# Altium PCB FMC_ADC_130M_16B_4CH.PcbDoc (part 5 of 8)
Units mm, origin at the board's own origin, x right, y up, seen from the top; angles counter-clockwise.
Board outline 76.78 x 69 mm, 8 copper layers (Top Layer, GND1, L3, GND2, L5, GND3, POWER, Bottom Layer), stack 1.329 mm thick; 397 components, 449 nets, 2112 pads, 1765 vias.
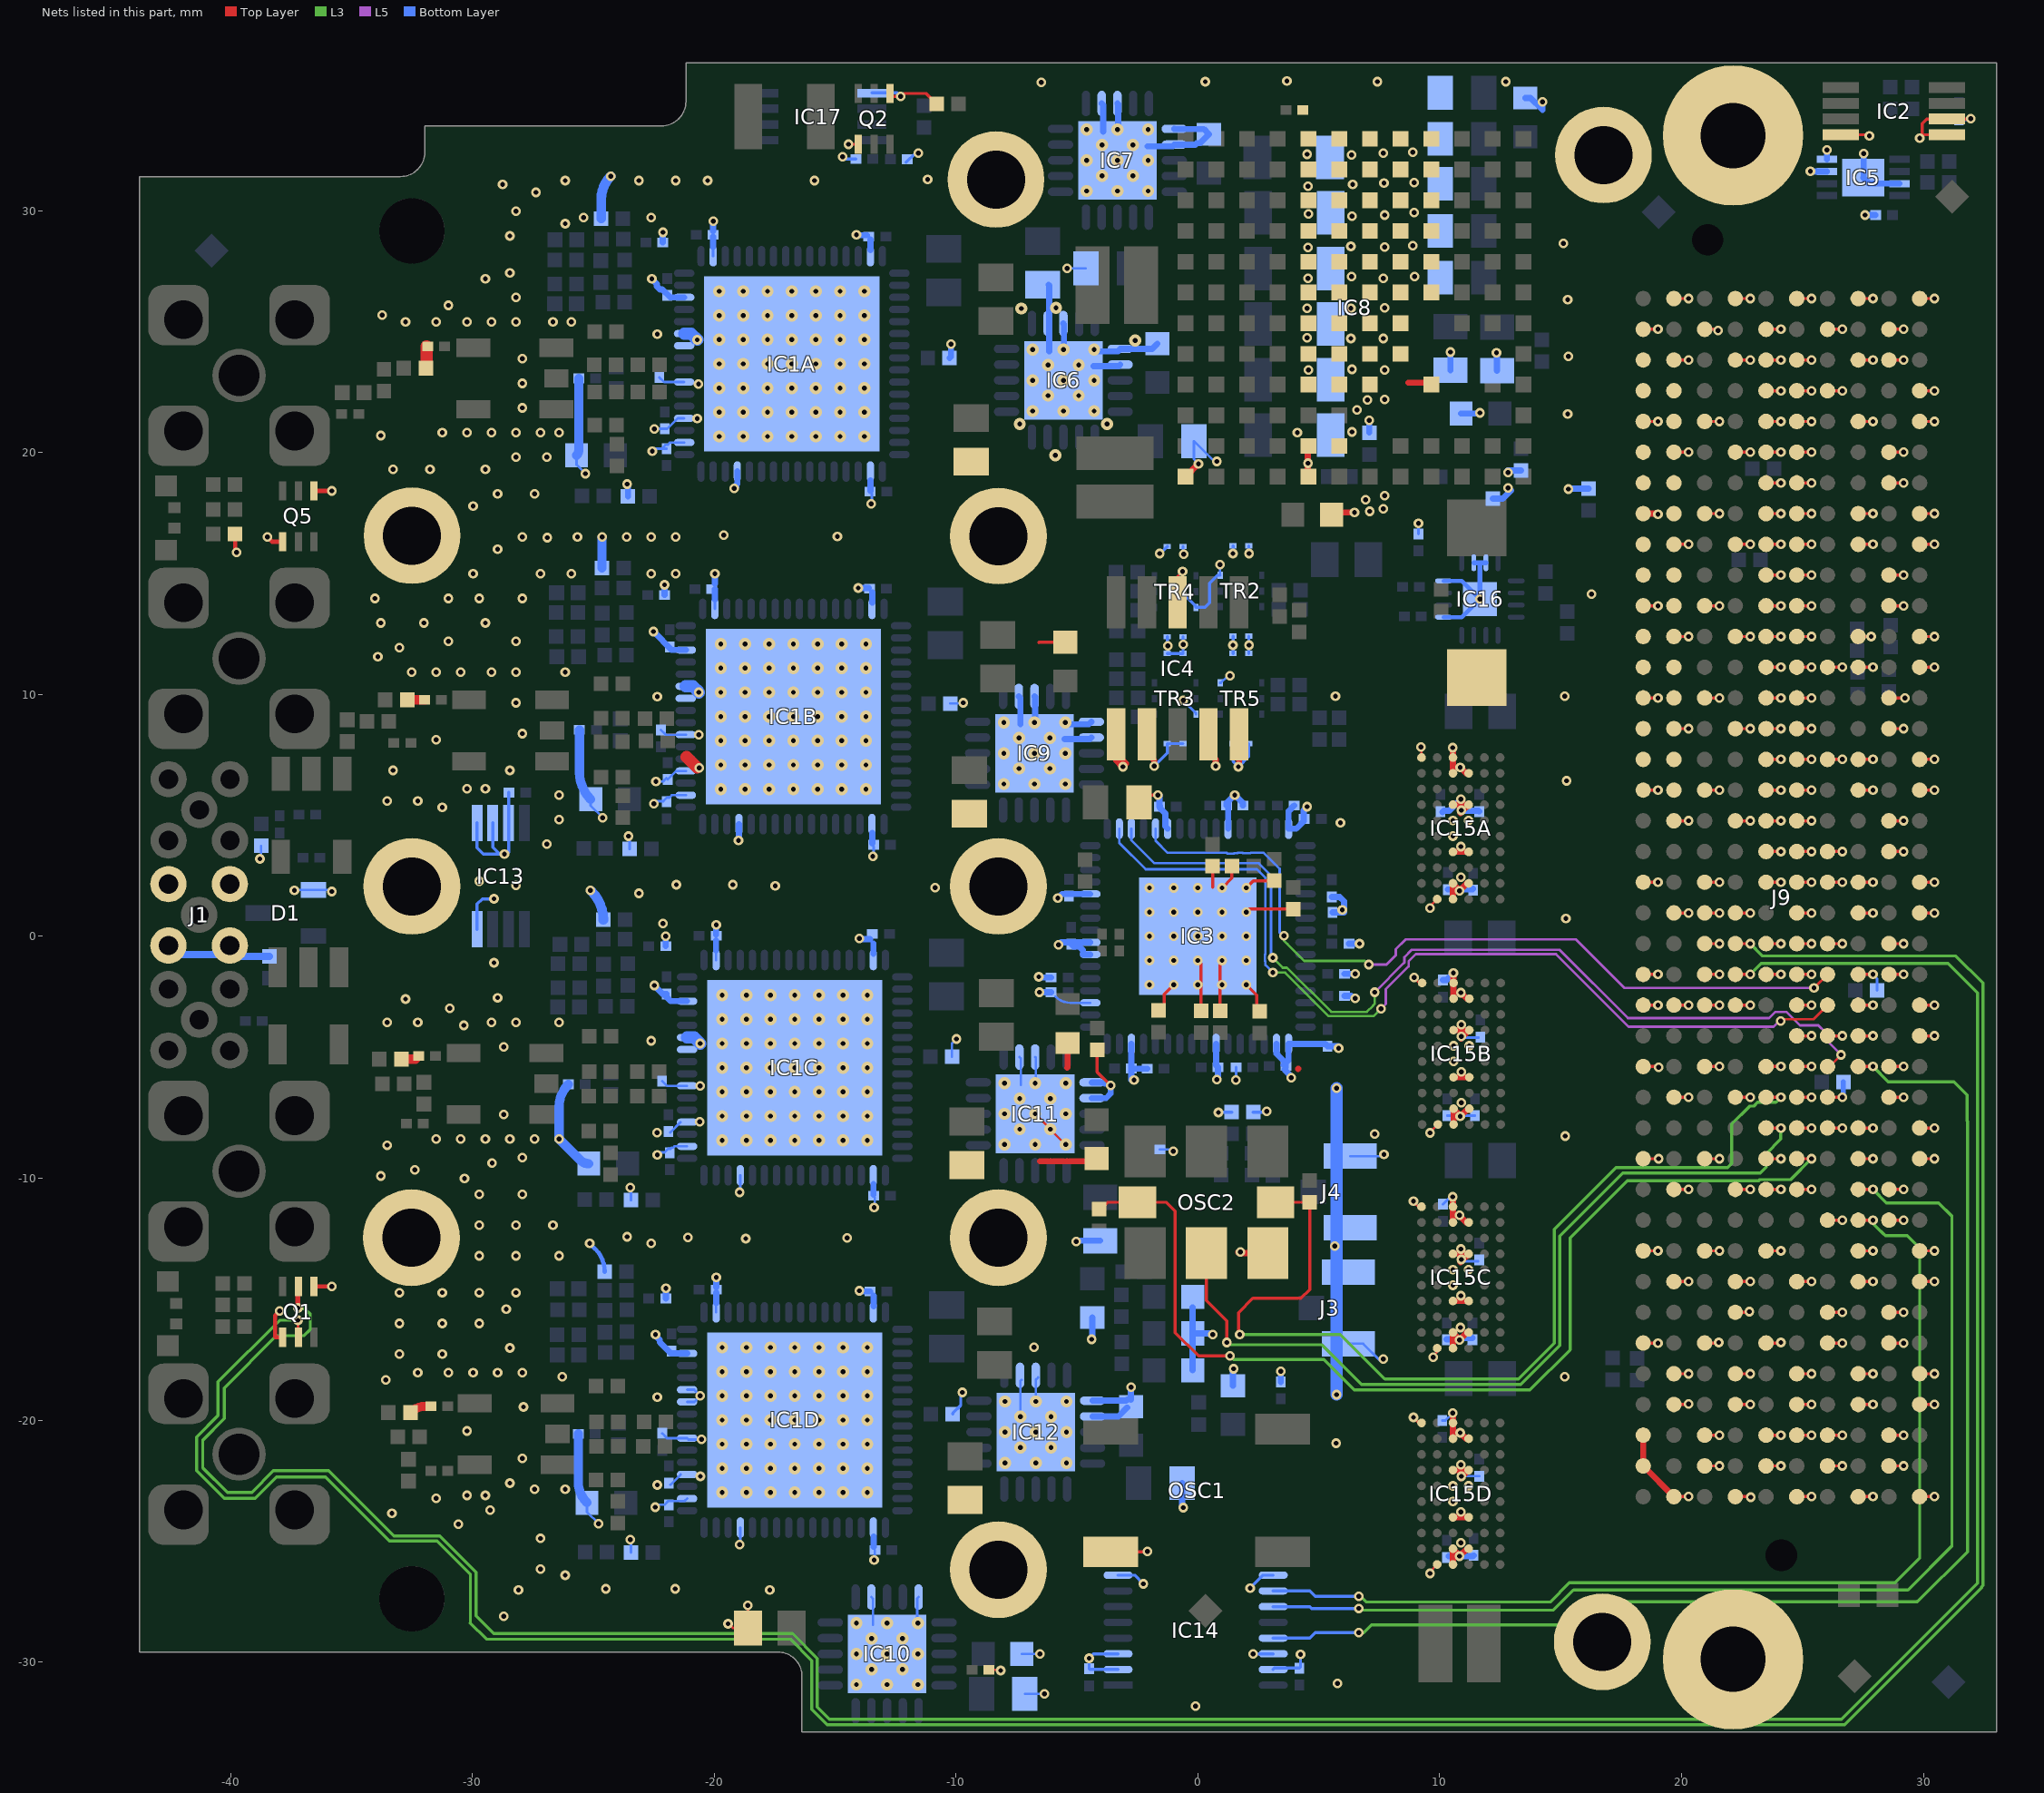
[diagram p11: the nets of this part, all layers, seen from the top]

## Via types
v1: diameter 0.4, hole 0.2, Top Layer to Bottom Layer, tented both sides, 1471 vias
v2: diameter 0.5, hole 0.2, Top Layer to Bottom Layer, tented both sides, 280 vias
v3: diameter 0.4, hole 0.2, Top Layer to Bottom Layer, 14 vias

## Nets (pads, with @x,y where several pads share a name; then routed paths per layer and width w, separated by ;. In a path a pad name is that pad's centre, name@x,y a point inside that pad or via, vN(x,y) a via of type N, cw(c..) or ccw(c..) an arc to the next point about the centre after c; other vN are vias at no path point) (continued)
GND: B1.1 B4.1 B5.1 B6.1 B7.1 B8.1 B9.1 B10.1 B11.1 B14.1 B15.1 B16.1 C10.2 C12A.1 C12B.1 C12C.1 C12D.1 C14A.1 C14B.1 C14C.1 C14D.1 C15A.1 C15B.1 C15C.1 C15D.1 C16A.1 C16B.1 C16C.1 C16D.1 C17A.1 C17B.1 C17C.1 C17D.1 C18A.1 C18B.1 C18C.1 C18D.1 C19A.1 C19B.1 C19C.1 C19D.1 C20A.1 C20B.1 C20C.1 C20D.1 C21A.1 C21B.1 C21C.1 C21D.1 C22A.1 C22B.1 C22C.1 C22D.1 C23A.1 C23B.1 C23C.1 C23D.1 C24A.1 C24B.1 C24C.1 C24D.1 C25A.1 C25B.1 C25C.1 C25D.1 C26A.2 C26B.2 C26C.2 C26D.2 C27.2 C28.2 C29.1 C30.1 C31.2 C32.2 C33.2 C34.2 C35.2 C36.2 C37.1 C38.1 C39.1 C41.2 C44.1 C50.2 C51.1 C52.2 C53.1 C54.2 C55.1 C56.1 C57.1 C58.1 C59.1 C60.1 C61.1 C62.1 C63.1 C64.1 C65.1 C66.1 C67.1 C68.1 C69.1 C70.1 C71.1 C72.1 C73.2 C74.2 C75.1 C76.1 C77.1 C78.1 C79.1 C80.1 C81.2 C82.2 C84.1 C85.1 C86.1 C88.1 C91.1 C92.1 C93.1 C94.1 C95.1 C97.1 C98.1 C99.1 C100.1 C101.1 C102.1 C103.2 C104.2 C105.1 C106.1 C107.1 C108.1 C109.1 C110.1 D1.1 IC1A.2 IC1A.4 IC1A.7 IC1A.10 IC1A.11 IC1A.14 IC1A.18 IC1A.31 IC1A.50 IC1A.61 IC1A.65 IC1B.2 IC1B.4 IC1B.7 IC1B.10 IC1B.11 IC1B.14 IC1B.18 IC1B.31 IC1B.50 IC1B.61 IC1B.65 IC1C.2 IC1C.4 IC1C.7 IC1C.10 IC1C.11 IC1C.14 IC1C.18 IC1C.31 IC1C.50 IC1C.61 IC1C.65 IC1D.2 IC1D.4 IC1D.7 IC1D.10 IC1D.11 IC1D.14 IC1D.18 IC1D.31 IC1D.50 IC1D.61 IC1D.65 IC2.4 IC2.5 IC2.6 IC3.3 IC3.7 IC3.8 IC3.12 IC3.22 IC3.27 IC3.32 IC3.49 IC3.50 IC3.55 IC3.62 IC3.65 IC4.1 IC4.2 IC4.4 IC4.5 IC4.8 IC5.3 IC5.4 IC5.7 IC5.9 IC6.7 IC6.8 IC6.11 IC6.12 IC6.21 IC7.7 IC7.8 IC7.11 IC7.12 IC7.21 IC8.D1 IC8.D2 IC8.D3 IC8.D4 IC8.D5 IC8.D6 IC8.D9 IC8.E1 IC8.E2 IC8.E3 IC8.E4 IC8.E5 IC8.E6 IC8.E7 IC8.E8 IC8.F1 IC8.F2 IC8.F3 IC8.F4 IC8.F5 IC8.F6 IC8.F7 IC8.F8 IC8.F9 IC8.G1 IC8.G2 IC8.G3 IC8.G4 IC8.G5 IC8.G6 IC8.G7 IC8.G8 IC8.G9 IC8.G11 IC8.H1 IC8.H2 IC8.H3 IC8.H4 IC8.H5 IC8.H6 IC8.H7 IC8.H8 IC8.H9 IC8.H11 IC8.H12 IC8.M12 IC9.7 IC9.8 IC9.11 IC9.12 IC9.21 IC10.7 IC10.10 IC10.21 IC11.7 IC11.8 IC11.11 IC11.12 IC11.21 IC12.7 IC12.8 IC12.11 IC12.12 IC12.21 IC13.4 IC13.5 IC13.6 IC13.7 IC14.2 IC14.3 IC14.8 IC14.9 IC14.14 IC14.15 IC15A.A4 IC15A.A5 IC15A.B3 IC15A.B4 IC15A.D3 IC15A.D4 IC15A.G3 IC15A.G4 IC15A.J3 IC15A.J4 IC15A.K4 IC15A.K6 IC15B.A4 IC15B.A5 IC15B.B3 IC15B.B4 IC15B.D3 IC15B.D4 IC15B.G3 IC15B.G4 IC15B.J3 IC15B.J4 IC15B.K4 IC15B.K6 IC15C.A4 IC15C.A5 IC15C.B3 IC15C.B4 IC15C.D3 IC15C.D4 IC15C.G3 IC15C.G4 IC15C.J3 IC15C.J4 IC15C.K4 IC15C.K6 IC15D.A4 IC15D.A5 IC15D.B3 IC15D.B4 IC15D.D3 IC15D.D4 IC15D.G3 IC15D.G4 IC15D.J3 IC15D.J4 IC15D.K4 IC15D.K6 IC16.9 IC16.12 IC16.14 IC16.15 IC16.17 IC17.5 J1.2 J3.2 J4.2 J9.a1 J9.a4 J9.a5 J9.a8 J9.a9 J9.a12 J9.a13 J9.a16 J9.a17 J9.a20 J9.a21 J9.a24 J9.a25 J9.a28 J9.a29 J9.a32 J9.a33 J9.a36 J9.a37 J9.a40 J9.b2 J9.b3 J9.b6 J9.b7 J9.b10 J9.b11 J9.b14 J9.b15 J9.b18 J9.b19 J9.b22 J9.b23 J9.b26 J9.b27 J9.b30 J9.b31 J9.b34 J9.b35 J9.b38 J9.b39 J9.c1 J9.c4 J9.c5 J9.c8 J9.c9 J9.c12 J9.c13 J9.c16 J9.c17 J9.c20 J9.c21 J9.c24 J9.c25 J9.c28 J9.c29 J9.c32 J9.c33 J9.c36 J9.c38 J9.c40 J9.d2 J9.d3 J9.d6 J9.d7 J9.d10 J9.d13 J9.d16 J9.d19 J9.d22 J9.d25 J9.d28 J9.d37 J9.d39 J9.e1 J9.e4 J9.e5 J9.e8 J9.e11 J9.e14 J9.e17 J9.e20 J9.e23 J9.e26 J9.e29 J9.e32 J9.e35 J9.e38 J9.e40 J9.f2 J9.f3 J9.f6 J9.f9 J9.f12 J9.f15 J9.f18 J9.f21 J9.f24 J9.f27 J9.f30 J9.f33 J9.f36 J9.f39 J9.g1 J9.g4 J9.g5 J9.g8 J9.g11 J9.g14 J9.g17 J9.g20 J9.g23 J9.g26 J9.g29 J9.g32 J9.g35 J9.g38 J9.g40 J9.h2 J9.h3 J9.h6 J9.h9 J9.h12 J9.h15 J9.h18 J9.h21 J9.h24 J9.h27 J9.h30 J9.h33 J9.h36 J9.h39 J9.j1 J9.j4 J9.j5 J9.j8 J9.j11 J9.j14 J9.j17 J9.j20 J9.j23 J9.j26 J9.j29 J9.j32 J9.j35 J9.j38 J9.j40 J9.k2 J9.k3 J9.k6 J9.k9 J9.k12 J9.k15 J9.k18 J9.k21 J9.k24 J9.k27 J9.k30 J9.k33 J9.k36 J9.k39 OSC1.2 OSC2.3 Q1.1 Q1.4 Q2.1 Q2.4 Q5.1 Q5.4 R10A.1 R10B.1 R10C.1 R10D.1 R14A.2 R14B.2 R14C.2 R14D.2 R21.2 R24.1 R25.2 R26.2 R28.1 R29.2 R30.2 R31.2 R34.2 R36.2 R38.2 R40.1 R46.1 R47.1 R48.1 R52.2 R76A.1 R76B.1 R76C.1 R76D.1 R80.2 R82.1 R83.2 R88.1 TR2.3 TR2.4 TR2.5 TR2.9 TR2.10 TR3.3 TR3.4 TR3.5 TR3.9 TR3.10 TR4.3 TR4.4 TR4.5 TR4.9 TR4.10 TR5.3 TR5.4 TR5.5 TR5.9 TR5.10 | length 404.1
  Top Layer w0.102: v1@-24.816,-24.282 v1(-24.78,-24.282) ; v1(-19.431,-28.423) -19.406,-28.423 -19.228,-28.6 C92.1@-18.604,-28.6 -18.604,-27.7 -18.618,-27.686 v1(-18.618,-27.661) ; C84.1@-8.636,-30.328 -8.179,-30.328 v1(-8.153,-30.353) ; v2(-6.731,-7.341) v2@-5.334,-8.738 ; IC4.8@-0.838,13.804 -0.838,14.884 v1(-0.635,15.088) ; v1(8.915,-19.888) 8.915,-19.914 9.12,-20.118 IC15D.K6@9.246,-20.118 ; v1(8.915,-10.947) 8.915,-10.973 9.12,-11.178 IC15C.K6@9.246,-11.178 ; v1(8.941,-1.698) 8.941,-1.723 9.101,-1.883 9.152,-1.883 9.198,-1.928 IC15B.K6@9.272,-1.928 ; IC15A.K6@9.12,7.39 IC15A.K6@9.246,7.39 9.246,7.873 v1@9.22,7.899 ; v1(9.601,-26.34) 9.525,-26.264 9.601,-26.264 IC15D.A5@9.896,-25.968 ; v1(9.602,-8.124) 9.551,-8.073 9.627,-8.073 IC15B.A5@9.922,-7.778 ; v1(9.601,1.168) 9.525,1.245 9.601,1.245 IC15A.A5@9.896,1.54 ; v1@9.703,-17.374 9.896,-17.18 IC15C.A5@9.896,-17.028
  Top Layer w0.127: v1@-22.439,-8.066 v1@-22.403,-8.103 ; v1@-22.377,-22.631 v1@-22.352,-22.657 ; v1(-14.453,32.747) Q2.1@-14.039,32.747 ; Q2.4@-12.739,34.847 -12.615,34.722 v1(-12.294,34.722) -12.169,34.846 -11.233,34.846 R88.1@-10.805,34.418 ; -6.579,12.141 -6.566,12.154 C93.1@-5.486,12.154 ; R46.1@-4.166,-4.692 -4.166,-5.613 v1(-3.607,-6.172) ; OSC1.2@-3.606,-25.451 -2.108,-25.451 v1(-2.083,-25.425) ; C85.1@-2.427,5.537 -2.123,5.842 v1(-1.651,5.842) ; R21.2@-1.397,-3.055 -1.397,-2.397 v1(-1,-2) ; v1(0,-1) 0.127,-1.127 R25.2@0.127,-3.081 ; 0.61,2.032 R38.2@0.61,2.903 ; v1@0.889,-7.239 v1@0.94,-7.239 ; R26.2@0.914,-3.081 0.914,-1.086 v1(1,-1) ; v1(1,2) 1.404,2.404 R36.2@1.404,2.896 ; v1(2,-2) 2.438,-2.438 R29.2@2.438,-3.106 ; v1(2,1) 2.125,1.125 R31.2@3.937,1.125 ; v1(2,2) 2.293,2.293 R34.2@3.15,2.293 ; J9.k6@18.413,-16.815 v1(19.025,-16.815) ; J9.k9@18.413,-13.005 v1(19.025,-13.005) ; J9.k12@18.413,-9.195 19.024,-9.195 v1(19.05,-9.195) ; J9.k15@18.413,-5.385 19.024,-5.385 19.05,-5.385 v1(19.05,-5.41) ; J9.k18@18.413,-1.575 v1(19.025,-1.575) ; J9.k21@18.413,2.235 v1(19.025,2.235) ; J9.k24@18.413,6.045 v1(19.025,6.045) ; J9.k27@18.413,9.855 v1(19.025,9.855) ; J9.k30@18.413,13.665 v1(19.025,13.665) ; J9.k36@18.413,21.285 v1(19.025,21.285) ; J9.k39@18.413,25.095 v1(19.025,25.095) ; J9.j1@19.683,-23.165 v1(20.295,-23.165) ; J9.j4@19.683,-19.355 20.294,-19.355 v1(20.295,-19.329) ; J9.j5@19.683,-18.085 v1(20.295,-18.085) ; J9.j8@19.683,-14.275 v1(20.295,-14.275) ; J9.j11@19.683,-10.465 v1(20.295,-10.465) ; J9.j14@19.683,-6.655 v1(20.295,-6.655) ; J9.j17@19.683,-2.845 v1(20.294,-2.845) ; J9.j20@19.683,0.965 v1(20.295,0.965) ; J9.j23@19.683,4.775 v1(20.295,4.775) ; J9.j26@19.683,8.585 v1(20.295,8.585) ; J9.j29@19.683,12.395 v1(20.295,12.395) ; J9.j32@19.683,16.205 v1(20.295,16.205) ; J9.j35@19.683,20.015 v1(20.295,20.015) ; J9.j38@19.683,23.825 v1(20.295,23.825) ; J9.j40@19.683,26.365 v1(20.295,26.365) ; J9.h2@20.953,-21.895 v1(21.565,-21.895) ; J9.h3@20.953,-20.625 v1(21.565,-20.625) ; J9.h6@20.953,-16.815 21.564,-16.815 v1(21.539,-16.789) ; J9.h9@20.953,-13.005 v1(21.565,-13.005) ; J9.h12@20.953,-9.195 v1(21.565,-9.195) ; J9.h15@20.953,-5.385 v1(21.565,-5.385) ; J9.h18@20.953,-1.575 v1(21.565,-1.575) ; J9.h21@20.953,2.235 v1(21.565,2.235) ; J9.h24@20.953,6.045 v1(21.565,6.045) ; J9.h27@20.953,9.855 v1(21.565,9.855) ; J9.h30@20.953,13.665 v1(21.565,13.665) ; J9.h33@20.953,17.475 v1(21.565,17.475) ; J9.h36@20.953,21.285 v1(21.565,21.285) ; J9.h39@20.953,25.095 21.564,25.095 v1(21.514,25.044) ; J9.g1@22.223,-23.165 22.834,-23.165 v1(22.86,-23.19) ; J9.g4@22.223,-19.355 v1(22.835,-19.355) ; J9.g5@22.223,-18.085 v1(22.835,-18.085) ; J9.g8@22.223,-14.275 v1(22.835,-14.275) ; J9.g11@22.223,-10.465 v1(22.835,-10.465) ; J9.g14@22.223,-6.655 v1(22.835,-6.655) ; J9.g17@22.223,-2.845 v1(22.835,-2.845) ; J9.g20@22.223,0.965 v1(22.835,0.965) ; J9.g23@22.223,4.775 v1(22.835,4.775) ; J9.g26@22.223,8.585 v1(22.835,8.585) ; J9.g29@22.223,12.395 v1(22.835,12.395) ; J9.g32@22.223,16.205 v1(22.835,16.205) ; J9.g35@22.223,20.015 v1(22.835,20.015) ; J9.g38@22.223,23.825 v1(22.835,23.825) ; J9.g40@22.223,26.365 v1(22.835,26.365) ; J9.f2@23.493,-21.895 v1(24.105,-21.895) ; J9.f3@23.493,-20.625 v1(24.105,-20.625) ; J9.f6@23.493,-16.815 24.104,-16.815 v1(24.105,-16.789) ; J9.f9@23.493,-13.005 v1(24.105,-13.005) ; J9.f12@23.493,-9.195 v1(24.105,-9.195) ; J9.f15@23.493,-5.385 v1(24.105,-5.385) ; J9.f18@23.493,-1.575 v1(24.105,-1.575) ; J9.f21@23.493,2.235 v1(24.105,2.235) ; J9.f24@23.493,6.045 v1(24.105,6.045) ; J9.f27@23.493,9.855 v1(24.105,9.855) ; J9.f30@23.493,13.665 v1(24.105,13.665) ; J9.f33@23.493,17.475 v1(24.105,17.475) ; J9.f36@23.493,21.285 v1(24.105,21.285) ; J9.f39@23.493,25.095 v1(24.105,25.095) ; J9.e1@24.763,-23.165 v1(25.375,-23.165) ; J9.e4@24.763,-19.355 v1(25.375,-19.355) ; J9.e5@24.763,-18.085 v1(25.375,-18.085) ; J9.e8@24.763,-14.275 v1(25.375,-14.275) ; J9.e11@24.763,-10.465 v1(25.375,-10.465) ; J9.e14@24.763,-6.655 v1(25.375,-6.655) ; J9.e17@24.763,-2.845 v1(25.375,-2.845) ; J9.e20@24.763,0.965 v1(25.375,0.965) ; J9.e23@24.763,4.775 v1(25.375,4.775) ; J9.e26@24.763,8.585 v1(25.375,8.585) ; J9.e29@24.763,12.395 v1(25.375,12.395) ; J9.e32@24.763,16.205 v1(25.375,16.205) ; J9.e35@24.763,20.015 v1(25.375,20.015) ; J9.e38@24.763,23.825 v1(25.375,23.825) ; J9.e40@24.763,26.365 v1(25.375,26.365) ; J9.d2@26.033,-21.895 v1(26.645,-21.895) ; J9.d3@26.033,-20.625 v1(26.645,-20.625) ; J9.d6@26.033,-16.815 v1(26.645,-16.815) ; J9.d7@26.033,-15.545 v1(26.645,-15.545) ; J9.d10@26.033,-11.735 v1(26.645,-11.735) ; J9.d13@26.033,-7.925 v1(26.645,-7.925) ; J9.d16@26.033,-4.115 v1(26.645,-4.115) ; J9.d19@26.033,-0.305 v1(26.645,-0.305) ; J9.d22@26.033,3.505 v1(26.645,3.505) ; J9.d25@26.033,7.315 v1(26.645,7.315) ; J9.d28@26.033,11.125 v1(26.645,11.125) ; J9.d37@26.033,22.555 v1(26.645,22.555) ; J9.d39@26.033,25.095 v1(26.645,25.095) ; IC2.4@26.578,33.137 27.721,33.137 v1(27.762,33.096) ; J9.c1@27.303,-23.165 v1(27.915,-23.165) ; J9.c4@27.303,-19.355 v1(27.915,-19.355) ; J9.c5@27.303,-18.085 v1(27.915,-18.085) ; J9.c8@27.303,-14.275 v1(27.915,-14.275) ; J9.c9@27.303,-13.005 v1(27.915,-13.005) ; J9.c12@27.303,-9.195 v1(27.915,-9.195) ; J9.c13@27.303,-7.925 v1(27.915,-7.925) ; J9.c16@27.303,-4.115 v1(27.915,-4.115) ; J9.c17@27.303,-2.845 v1(27.915,-2.845) ; J9.c20@27.303,0.965 v1(27.915,0.965) ; J9.c21@27.303,2.235 v1(27.915,2.235) ; J9.c24@27.303,6.045 v1(27.915,6.045) ; J9.c25@27.303,7.315 v1(27.915,7.315) ; J9.c28@27.303,11.125 v1(27.915,11.125) ; J9.c29@27.303,12.395 27.914,12.395 v1(27.838,12.395) ; J9.c32@27.303,16.205 v1(27.915,16.205) ; J9.c33@27.303,17.475 v1(27.915,17.475) ; J9.c36@27.303,21.285 v1(27.915,21.285) ; J9.c38@27.303,23.825 v1(27.915,23.825) ; J9.c40@27.303,26.365 v1(27.915,26.365) ; J9.b2@28.573,-21.895 v1(29.185,-21.895) ; J9.b3@28.573,-20.625 v1(29.185,-20.625) ; J9.b6@28.573,-16.815 v1(29.185,-16.815) ; J9.b7@28.573,-15.545 v1(29.185,-15.545) ; J9.b10@28.573,-11.735 v1(29.185,-11.735) ; J9.b11@28.573,-10.465 v1(29.185,-10.465) ; J9.b14@28.573,-6.655 v1(29.185,-6.655) ; J9.b15@28.573,-5.385 v1(29.185,-5.385) ; J9.b18@28.573,-1.575 v1(29.185,-1.575) ; J9.b19@28.573,-0.305 v1(29.185,-0.305) ; J9.b22@28.573,3.505 v1(29.185,3.505) ; J9.b23@28.573,4.775 v1(29.185,4.775) ; J9.b26@28.573,8.585 v1(29.185,8.585) ; J9.b27@28.573,9.855 v1@29.184,9.855 ; J9.b30@28.573,13.665 v1(29.185,13.665) ; J9.b31@28.573,14.935 v1(29.185,14.935) ; J9.b34@28.573,18.745 v1(29.185,18.745) ; J9.b35@28.573,20.015 v1(29.185,20.015) ; J9.b38@28.573,23.825 v1(29.185,23.825) ; J9.b39@28.573,25.095 v1(29.185,25.095) ; J9.a1@29.843,-23.165 v1(30.455,-23.165) ; J9.a4@29.843,-19.355 v1(30.455,-19.355) ; J9.a5@29.843,-18.085 v1(30.455,-18.085) ; J9.a8@29.843,-14.275 v1(30.455,-14.275) ; J9.a9@29.843,-13.005 v1(30.455,-13.005) ; J9.a12@29.843,-9.195 v1(30.455,-9.195) ; J9.a13@29.843,-7.925 v1(30.455,-7.925) ; J9.a16@29.843,-4.115 v1(30.455,-4.115) ; J9.a17@29.843,-2.845 v1(30.455,-2.845) ; J9.a20@29.843,0.965 v1(30.455,0.965) ; J9.a21@29.843,2.235 v1(30.455,2.235) ; J9.a24@29.843,6.045 v1(30.455,6.045) ; J9.a25@29.843,7.315 v1(30.455,7.315) ; J9.a28@29.843,11.125 v1(30.455,11.125) ; J9.a29@29.843,12.395 v1(30.455,12.395) ; J9.a32@29.843,16.205 v1(30.455,16.205) ; J9.a33@29.843,17.475 v1(30.455,17.475) ; J9.a36@29.843,21.285 v1(30.455,21.285) ; J9.a37@29.843,22.555 v1(30.455,22.555) ; J9.a40@29.843,26.365 v1(30.455,26.365) ; v1(29.845,32.995) v1@29.947,33.096 ; IC2.5@30.978,33.137 29.988,33.137 v1@29.947,33.096 ; v1(31.953,33.807) 31.933,33.787 IC2.6@30.978,33.787 30.13,33.787 29.947,33.604 v1@29.947,33.096
  Top Layer w0.178: R28.1@-39.809,16.637 -39.809,15.933 v1(-39.751,15.875) ; v1(-38.481,16.51) -38.286,16.315 Q5.1@-37.846,16.315 ; v1(-37.973,-15.494) -38.159,-15.68 -38.159,-16.578 Q1.1@-37.846,-16.578 ; Q1.4@-36.546,-14.478 v1(-35.814,-14.478) ; Q5.4@-36.546,18.415 v1(-35.814,18.415)
  Top Layer w0.254: -6.528,-9.296 -4.305,-9.296 C98.1@-4.191,-9.182 ; -5.41,-5.436 -5.385,-5.41 R47.1@-5.385,-4.407 ; IC4.1@-3.378,8.344 IC4.1@-3.378,7.544 ; v1@-3.15,7.036 -3.378,7.264 IC4.1@-3.378,7.544 ; v1@-2.972,7.137 IC4.1@-3.378,7.544 ; IC4.2@-2.108,8.344 -2.108,7.569 -1.803,7.264 v1(-1.803,7.036) ; IC8.M12@-0.508,18.999 v1(0.025,19.533) ; IC4.4@0.432,8.344 0.432,7.62 0.737,7.315 v1(0.737,7.036) ; v1(1.676,7.01) 1.702,7.036 IC4.5@1.702,8.344 ; v1(1.753,-13.056) 1.663,-13.056 1.663,-13.067 1.694,-13.098 OSC2.3@2.896,-13.098 ; 4.14,-5.486 4.151,-5.476 ; 4.547,19.939 v1(4.547,19.558) 4.547,19.025 IC8.H12@4.572,18.999 ; C52.2@5.577,17.534 v1(6.477,17.526) ; 8.712,22.885 9.576,22.885 IC8.D9@9.652,22.809 ; v1(10.541,-19.71) 10.541,-20.763 IC15D.J4@10.546,-20.768 IC15D.K4@10.546,-20.118 ; v1(10.541,-10.77) 10.541,-11.822 IC15C.J4@10.546,-11.828 IC15C.K4@10.546,-11.178 ; v1(10.541,7.798) 10.541,6.745 IC15A.J4@10.546,6.74 IC15A.K4@10.546,7.39 ; IC15D.A4@10.546,-25.968 IC15D.B4@10.546,-25.329 ; IC15D.B4@10.546,-25.318 IC15D.B4@10.546,-25.329 ; IC15D.D4@10.546,-24.018 10.846,-24.018 ; IC15D.G4@10.546,-22.068 IC15D.G3@11.196,-22.068 v1@10.922,-22.343 ; IC15C.A4@10.546,-17.028 IC15C.B4@10.546,-16.388 ; IC15C.B4@10.546,-16.378 IC15C.B4@10.546,-16.388 ; IC15C.D4@10.546,-15.078 10.846,-15.078 ; IC15C.G4@10.546,-13.128 IC15C.G3@11.196,-13.128 v1@10.922,-13.402 ; IC15A.A4@10.546,1.54 IC15A.B4@10.546,2.179 ; IC15A.B4@10.546,2.19 IC15A.B4@10.546,2.179 ; IC15A.D4@10.546,3.49 10.846,3.49 ; IC15A.G4@10.546,5.44 IC15A.G3@11.196,5.44 v1@10.922,5.166 ; v1(10.567,-1.52) 10.567,-2.573 IC15B.J4@10.572,-2.578 IC15B.K4@10.572,-1.928 ; IC15B.A4@10.572,-7.778 IC15B.B4@10.572,-7.139 ; IC15B.B4@10.572,-7.128 IC15B.B4@10.572,-7.139 ; IC15B.D4@10.572,-5.828 10.872,-5.828 ; IC15B.G4@10.572,-3.878 IC15B.G3@11.222,-3.878 v1@10.948,-4.152 ; v1(10.82,-25.629) v1@10.833,-25.616 ; v1(10.82,-16.688) v1@10.833,-16.675 ; v1(10.82,1.88) v1@10.833,1.892 ; v1(10.846,-20.523) 11.091,-20.768 IC15D.J3@11.196,-20.768 ; v1@10.846,-11.582 11.091,-11.828 IC15C.J3@11.196,-11.828 ; v1(10.846,-7.438) v1@10.859,-7.425 ; v1(10.846,6.985) 11.091,6.74 IC15A.J3@11.196,6.74 ; v1@10.853,-22.411 v1@10.922,-22.343 ; v1@10.854,-13.47 v1@10.922,-13.402 ; v1@10.853,5.097 v1@10.922,5.166 ; 10.871,-24.018 IC15D.D3@11.196,-24.018 ; 10.871,-15.078 IC15C.D3@11.196,-15.078 ; v1(10.872,-2.333) 11.117,-2.578 IC15B.J3@11.222,-2.578 ; 10.871,3.49 IC15A.D3@11.196,3.49 ; v1@10.879,-4.221 v1@10.948,-4.152 ; v1@10.897,-22.352 10.922,-22.327 v1@10.922,-22.343 ; v1@10.897,-13.411 10.922,-13.386 v1@10.922,-13.402 ; 10.897,-5.828 IC15B.D3@11.222,-5.828 ; v1@10.897,5.156 10.922,5.182 v1@10.922,5.166 ; v1@10.923,-4.162 10.948,-4.136 v1@10.948,-4.152 ; IC15D.B3@11.196,-25.318 11.131,-25.318 v1@10.833,-25.616 ; IC15C.B3@11.196,-16.378 11.131,-16.378 v1@10.833,-16.675 ; IC15A.B3@11.196,2.19 11.131,2.19 v1@10.833,1.892 ; IC15B.B3@11.222,-7.128 11.157,-7.128 v1@10.859,-7.425 ; J9.k3@18.413,-20.625 J9.k2@18.413,-21.895 J9.j1@19.683,-23.165 ; J9.k33@18.413,17.475 18.999,17.475 v1(19.025,17.45) ; IC15D.B4@10.546,-25.329 v1@10.833,-25.616 ; IC15C.B4@10.546,-16.388 v1@10.833,-16.675 ; IC15A.B4@10.546,2.179 v1@10.833,1.892 ; IC15B.B4@10.572,-7.139 v1@10.859,-7.425
  Top Layer w0.508: -21.147,7.417 -20.715,6.985 v1@-20.706,6.985
  L3 w0.102: v1@9.525,-26.264 v1(9.601,-26.34) ; v1@9.525,1.245 v1(9.601,1.168) ; v1@9.551,-8.073 v1(9.602,-8.124) ; v1@9.703,-17.374 v1(9.728,-17.399) v1@9.754,-17.424
  L3 w0.127: v1(29.845,32.995) 29.947,32.995 v1@29.972,32.969
  Bottom Layer w0.102: J1.2@-42.567,-0.381 J1.2@-42.198,-0.75 ; J1.2@-40.396,-0.75 J1.2@-40.027,-0.381 ; v1(-38.786,3.2) -38.786,3.29 -38.735,3.341 R24.1@-38.735,3.74 ; v1(-37.359,1.905) -37.338,1.905 -37.328,1.915 D1.1@-36.569,1.915 -35.875,1.915 v1(-35.814,1.854) ; C12A.1@-25.692,19.888 -25.692,19.494 v1(-25.324,19.126) ; C12D.1@-25.26,-23.419 -25.26,-23.802 v1(-24.78,-24.282) ; v1(-25.121,1.905) v1@-25.073,1.858 ; C12B.1@-25.108,5.664 -25.108,5.397 v1(-24.613,4.902) ; v1(-23.546,4.14) -23.495,4.089 R14B.2@-23.495,3.607 ; v1(-23.47,-24.943) -23.439,-24.973 R14D.2@-23.439,-25.476 ; v1(-23.47,-10.389) v1@-23.47,-10.338 ; v1@-23.47,-10.315 v1@-23.47,-10.338 ; R14C.2@-23.442,-10.911 -23.442,-10.365 v1@-23.47,-10.338 ; v1(-22.562,20.06) -22.46,20.162 -22.174,20.162 ; v1(-22.479,20.98) -22.473,20.986 -21.94,20.986 -21.51,21.416 IC1A.4@-21.244,21.416 ; v1(-22.41,6.401) -22.119,6.401 C18B.1@-21.979,6.541 ; v1@-22.391,5.582 -22.105,5.582 -21.952,5.736 -21.856,5.736 -21.756,5.836 IC1B.2@-21.175,5.836 ; v1@-22.338,-8.936 -22.052,-8.936 -21.899,-8.782 -21.804,-8.782 -21.762,-8.741 -21.708,-8.741 -21.649,-8.682 IC1C.2@-21.123,-8.682 ; v1@-22.335,-23.501 -22.05,-23.501 -21.896,-23.347 -21.221,-23.347 IC1D.2@-21.12,-23.247 ; C17A.1@-22.273,23.113 -22.076,22.916 IC1A.7@-21.244,22.916 ; C17B.1@-22.204,8.533 -22.007,8.336 IC1B.7@-21.175,8.336 ; C17C.1@-22.151,-5.985 -21.954,-6.182 IC1C.7@-21.123,-6.182 ; C17D.1@-22.148,-20.55 -21.951,-20.747 IC1D.7@-21.12,-20.747 -21.064,-20.803 v1(-20.523,-20.803) ; C14A.1@-21.971,20.162 -22.174,20.162 ; C18B.1@-21.92,6.483 -21.566,6.836 IC1B.4@-21.175,6.836 ; C16D.1@-21.826,-17.247 IC1D.14@-21.12,-17.247 ; C18C.1@-21.818,-8.112 IC1C.4@-21.388,-7.682 ; C18D.1@-21.815,-22.677 IC1D.4@-21.385,-22.247 ; IC1A.2@-21.244,20.416 -21.825,20.416 -21.925,20.315 -22.021,20.315 -22.174,20.162 ; IC1D.10@-21.12,-19.247 -20.824,-19.247 v1(-20.576,-18.999) -20.829,-18.747 IC1D.11@-21.12,-18.747 ; IC1A.18@-20.044,28.116 -20.044,29.559 v1(-20.038,29.566) ; IC1B.18@-19.975,13.536 -19.975,14.98 v1(-19.969,14.986) ; IC1C.18@-19.923,-0.982 -19.923,0.462 v1(-19.916,0.468) ; IC1D.18@-19.92,-15.547 -19.92,-14.103 v1(-19.914,-14.097) ; v1(-18.948,-25.147) -18.92,-25.118 IC1D.61@-18.92,-24.447 ; v1(-18.948,-10.582) -18.923,-10.556 IC1C.61@-18.923,-9.882 ; v1(-14.12,29.007) -14.095,28.981 C20A.1@-13.683,28.981 ; v1@-14.051,14.427 -14.026,14.402 C20B.1@-13.614,14.402 ; v1(-14.046,14.402) v1@-14.046,14.422 ; v1(-13.998,-0.091) -13.973,-0.116 -13.561,-0.116 ; v1(-13.995,-14.656) -13.97,-14.681 C20D.1@-13.558,-14.681 ; v1@-13.51,17.983 -13.479,18.014 C19A.1@-13.479,18.288 ; IC10.7@-13.502,-27.317 -13.437,-27.383 IC10.21@-13.437,-28.473 ; v1@-13.441,3.404 -13.41,3.435 C19B.1@-13.41,3.708 ; v1@-13.389,-11.114 -13.358,-11.083 C19C.1@-13.358,-10.81 ; v1@-13.386,-25.679 -13.355,-25.648 C19D.1@-13.355,-25.375 ; IC10.21@-11.608,-28.473 -11.608,-27.373 IC10.10@-11.552,-27.317 ; R10B.1@-10.243,9.627 -9.728,9.627 v1(-9.703,9.652) ; R10C.1@-10.167,-4.978 -10.167,-4.427 v1(-9.982,-4.242) ; IC11.7@-7.381,-4.991 -7.315,-5.056 IC11.21@-7.315,-6.147 ; v2(-7.341,-19.863) -7.341,-18.39 IC12.7@-7.29,-18.339 ; C94.1@-7.277,-29.667 v1(-6.528,-29.667) ; C86.1@-7.152,-31.318 v1(-6.35,-31.318) ; IC11.8@-6.731,-4.991 -6.706,-5.016 IC11.21@-6.706,-6.147 ; v2(-6.706,-19.228) -6.706,-18.339 IC12.8@-6.604,-18.237 ; C59.1@-5.893,-2.489 ccw(c-5.263,-1.86) -5.263,-2.75 IC3.3@-4.45,-2.75 ; v1(-5.41,27.61) C76.1@-4.634,27.61 ; C54.2@-1.58,-8.814 -1.2,-8.814 cw(c-1.2,-9.074) v1(-1.016,-8.89) ; v1@-0.635,9.779 v1(-0.61,9.754) -0.08,9.224 TR3.3@-0.08,9.18 ; v1(0.025,19.533) -0.167,19.725 C75.1@-0.167,20.472 0.671,19.634 v1(0.787,19.634) ; v1(0.914,15.367) 0.918,15.363 TR2.3@0.918,14.925 ; TR5.3@0.918,10.48 0.948,10.48 1.238,10.77 v1(1.321,10.77) ; v1(5.74,-6.274) v1@5.74,-6.223 ; J3.2@6.223,-16.842 6.834,-16.842 7.544,-17.551 7.62,-17.475 v1(7.671,-17.475) ; J4.2@6.299,-9.091 7.622,-9.091 v1(7.696,-9.017) ; C22D.1@10.109,-20.021 10.231,-20.021 v1(10.541,-19.71) ; C22C.1@10.135,-11.08 10.49,-10.724 v1@10.49,-10.719 ; C21B.1@10.312,-7.411 C23B.1@11.455,-7.411 ; v1@10.897,-13.411 10.917,-13.431 C24C.1@11.582,-13.431 ; v1@10.923,-4.162 10.946,-4.185 C24B.1@11.608,-4.185 ; v1@10.973,-22.352 11.004,-22.321 C24D.1@11.633,-22.321